# KiCad board schematic_MD.kicad_pcb (continued)
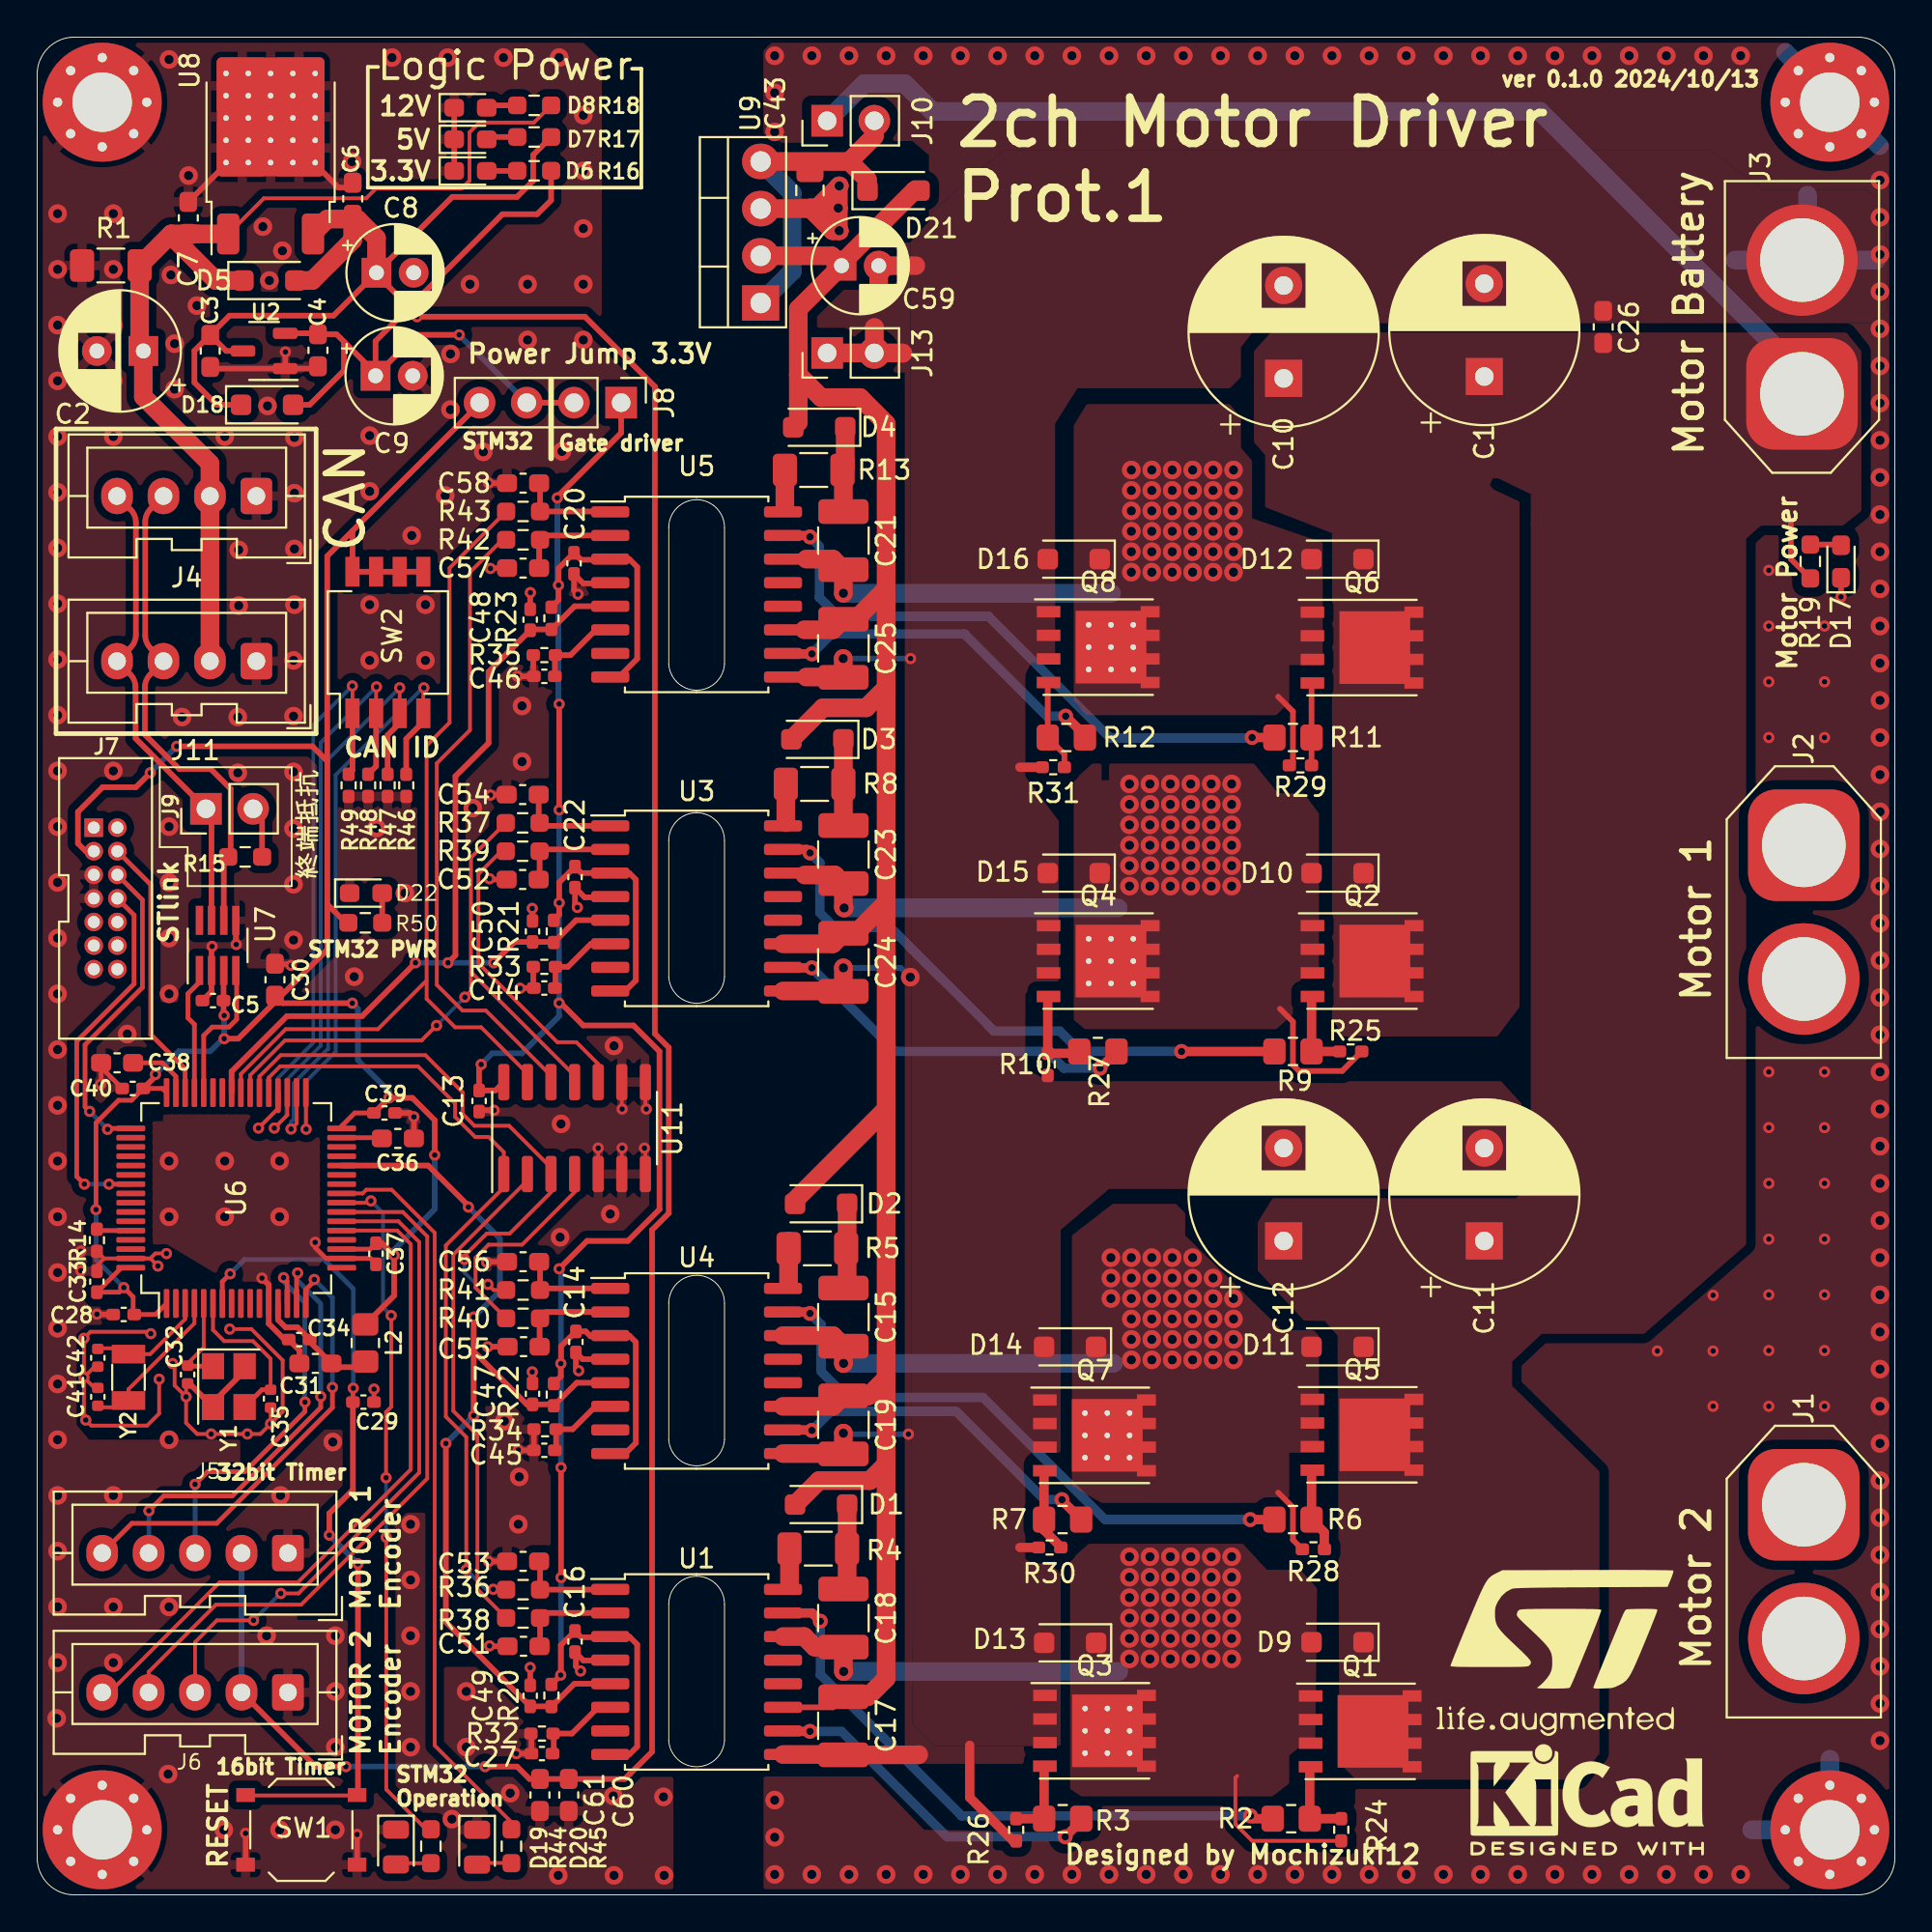
[diagram p0: board, top side]
## Footprints (pads in the part's own frame, mm; a bottom-side part is the same pattern mirrored in y, then rotated) (continued)
  rect 1.7x1.7 hole 1: 1(0,0)
  oval 1.7x1.7 hole 1: 2(0,-2.54) 3(0,-5.08) 4(0,-7.62)
PowerPAK_SO-8_Single
  rect 1.27x0.61 smd: 1(-2.67,1.905) 2(-2.67,0.635) 3(-2.67,-0.635) 4(-2.67,-1.905)
  rect 3.81x3.91 smd: 5(0.69,0)
  rect 1.02x0.61 smd: 5(2.795,1.905) 5(2.795,0.635) 5(2.795,-0.635) 5(2.795,-1.905)
PowerPAK_SO-8_Single_ThermalVias
  rect 1.27x0.61 smd: 1(-2.67,1.905) 2(-2.67,0.635) 3(-2.67,-0.635) 4(-2.67,-1.905)
  round 0.6 hole 0.3: 5(-0.51,1.2) 5(-0.51,0) 5(-0.51,-1.2) 5(0.69,1.2) 5(0.69,0) 5(0.69,-1.2) 5(1.89,1.2) 5(1.89,0) 5(1.89,-1.2)
  rect 3.81x3.91 smd: 5(0.69,0)
  rect 1.02x0.61 smd: 5(2.795,1.905) 5(2.795,0.635) 5(2.795,-0.635) 5(2.795,-1.905)
R_0402_1005Metric_Pad0.72x0.64mm_HandSolder
  rrect 0.715x0.64 smd: 1(-0.598,0) 2(0.598,0)
R_0603_1608Metric_Pad0.98x0.95mm_HandSolder
  rrect 0.975x0.95 smd: 1(-0.912,0) 2(0.912,0)
R_0805_2012Metric_Pad1.20x1.40mm_HandSolder
  rrect 1.2x1.4 smd: 1(-1,0) 2(1,0)
R_1206_3216Metric_Pad1.30x1.75mm_HandSolder
  rrect 1.3x1.75 smd: 1(-1.55,0) 2(1.55,0)
SOIC-14_3.9x8.7mm_P1.27mm
  rrect 1.95x0.6 smd: 1(-2.475,3.81) 2(-2.475,2.54) 3(-2.475,1.27) 4(-2.475,0) 5(-2.475,-1.27) 6(-2.475,-2.54) 7(-2.475,-3.81) 8(2.475,-3.81) 9(2.475,-2.54) 10(2.475,-1.27) 11(2.475,0) 12(2.475,1.27) 13(2.475,2.54) 14(2.475,3.81)
SOIC-16W_7.5x10.3mm_P1.27mm
  rrect 2.05x0.6 smd: 1(-4.65,4.445) 2(-4.65,3.175) 3(-4.65,1.905) 4(-4.65,0.635) 5(-4.65,-0.635) 6(-4.65,-1.905) 7(-4.65,-3.175) 8(-4.65,-4.445) 9(4.65,-4.445) 10(4.65,-3.175) 11(4.65,-1.905) 12(4.65,-0.635) 13(4.65,0.635) 14(4.65,1.905) 15(4.65,3.175) 16(4.65,4.445)
SOT-23-3
  rrect 1.325x0.6 smd: 1(-1.137,0.95) 2(-1.137,-0.95) 3(1.137,0)
SOT-23-8_Handsoldering
  rect 1.56x0.4 smd: 1(-1.35,0.98) 2(-1.35,0.33) 3(-1.35,-0.33) 4(-1.35,-0.98) 5(1.35,-0.98) 6(1.35,-0.33) 7(1.35,0.33) 8(1.35,0.98)
SW_DIP_SPSTx04_Slide_Copal_CHS-04B_W7.62mm_P1.27mm
  rect 1.6x0.76 smd: 1(-3.81,1.905) 2(-3.81,0.635) 3(-3.81,-0.635) 4(-3.81,-1.905) 5(3.81,-1.905) 6(3.81,-0.635) 7(3.81,0.635) 8(3.81,1.905)
SW_Push_1P1T_XKB_TS-1187A
  rect 1x0.75 smd: 1(-3,1.875) 1(3,1.875) 2(-3,-1.875) 2(3,-1.875)
TO-220-4_Vertical
  rect 1.905x2 hole 1.1: 1(0,0)
  oval 1.905x2 hole 1.1: 2(2.54,0) 3(5.08,0) 4(7.62,0)
TO-252-2
  rrect 2.2x1.2 smd: 1(-5.04,2.28) 3(-5.04,-2.28)
  round 0.6 hole 0.3: 2(-1.2,2.4) 2(-1.2,1.2) 2(-1.2,0) 2(-1.2,-1.2) 2(-1.2,-2.4) 2(0,2.4) 2(0,1.2) 2(0,0) 2(0,-1.2) 2(0,-2.4) 2(1.2,2.4) 2(1.2,1.2) 2(1.2,0) 2(1.2,-1.2) 2(1.2,-2.4) 2(2.4,2.4) 2(2.4,1.2) 2(2.4,0) 2(2.4,-1.2) 2(2.4,-2.4) 2(3.6,2.4) 2(3.6,1.2) 2(3.6,0) 2(3.6,-1.2) 2(3.6,-2.4)
  rrect 3.05x2.75 smd: 2(-0.415,1.525) 2(-0.415,-1.525) 2(2.935,1.525) 2(2.935,-1.525)
  rrect 6.4x5.8 smd: 2(1.26,0)

## Nets
+3.3V: C4.1 C9.1 D18.2 J8.2 J8.3 R16.1 U2.2
+5V: C3.1 C6.1 C8.1 C60.2 C61.2 D5.2 D18.1 J5.2 J6.2 R17.1 U2.3 U8.3
+12V: C2.1 C7.1 D5.1 J4.2 J11.2 R1.1 R18.1 U8.1
GND1: C2.2 C3.2 C4.2 C5.2 C6.2 C7.2 C8.2 C9.2 C13.2 C14.2 C16.2 C20.2 C22.2 C27.2 C28.2 C29.2 C30.2 C31.2 C32.2 C33.2 C34.2 C35.2 C36.2 C37.2 C38.2 C39.2 C40.2 C41.2 C42.2 C44.2 C45.2 C46.2 C47.2 C48.2 C49.2 C50.2 C51.2 C52.2 C53.2 C54.2 C55.2 C56.2 C57.2 C58.2 C60.1 C61.1 D6.1 D7.1 D8.1 D19.1 D20.1 D22.1 H1.1 H2.1 J4.1 J5.1 J6.1 J7.5 J7.7 J11.1 R1.2 R14.2 R32.2 R33.2 R34.2 R35.2 R46.2 R47.2 R48.2 R49.2 SW1.1 U1.4 U2.1 U3.4 U4.4 U5.4 U6.12 U6.18 U6.63 U7.2 U7.5 U8.2 U11.5 U11.6 U11.7 U11.8 U11.9 Y1.2 Y1.4
GND2: C1.2 C10.2 C11.2 C12.2 C17.2 C19.2 C24.2 C25.2 C26.2 C43.2 C59.2 D13.2 D14.2 D15.2 D16.2 D17.1 H3.1 H4.1 J3.2 J13.1 J13.2 Q3.1 Q3.2 Q3.3 Q4.1 Q4.2 Q4.3 Q7.1 Q7.2 Q7.3 Q8.1 Q8.2 Q8.3 R26.2 R27.2 R30.2 R31.2 U1.9 U3.9 U4.9 U5.9 U9.3
VDDA: C31.1 C34.1 L2.2 U6.13
/Driver1/EN_left: C48.1 C50.1 R21.2 R23.2 U3.5 U5.5 U6.41
/Driver1/H-bridge_left: C23.2 D10.2 D15.1 J2.2 Q2.1 Q2.2 Q2.3 Q4.5 R25.2 U3.14
/Driver1/H-bridge_right: C21.2 D12.2 D16.1 J2.1 Q6.1 Q6.2 Q6.3 Q8.5 R29.2 U5.14
/Driver1/Left_Highside_PWM_IN: R37.1 U6.39 U11.11
/Driver1/Left_Lowside_PWM_IN: R39.1 U11.10
/Driver1/Right_Highside_PWM_IN: R43.1 U6.40 U11.13
/Driver1/Right_Lowside_PWM_IN: R42.1 U11.12
/Driver/EN_left: C47.1 C49.1 R20.2 R22.2 U1.5 U4.5 U6.28
/Driver/H-bridge_left: C18.2 D9.2 D13.1 J1.2 Q1.1 Q1.2 Q1.3 Q3.5 R24.2 U1.14
/Driver/H-bridge_right: C15.2 D11.2 D14.1 J1.1 Q5.1 Q5.2 Q5.3 Q7.5 R28.2 U4.14
/Driver/Left_Highside_PWM_IN: R36.1 U6.37 U11.1
/Driver/Left_Lowside_PWM_IN: R38.1 U11.2
/Driver/Right_Highside_PWM_IN: R41.1 U6.38 U11.3
/Driver/Right_Lowside_PWM_IN: R40.1 U11.4
/STM32F405/CAN_RX: U6.44 U7.4
/STM32F405/CAN_TX: U6.45 U7.1
/STM32F405/Motor1_A: J5.3 U6.14
/STM32F405/Motor1_B: J5.4 U6.15
/STM32F405/Motor1_Z: J5.5 U6.16
/STM32F405/Motor2_A: J6.3 U6.22
/STM32F405/Motor2_B: J6.4 U6.23
/STM32F405/Motor2_Z: J6.5 U6.21
/STM32F405/NRST: C29.1 SW1.2 U6.7
/STM32F405/SWCLK: J7.6 U6.49
/STM32F405/SWDIO: J7.4 U6.46
/STM32F405/SWO: J7.8 U6.55
gate_logic_PWR: C13.1 C14.1 C16.1 C20.1 C22.1 J8.1 R20.1 R21.1 R22.1 R23.1 U1.3 U1.8 U3.3 U3.8 U4.3 U4.8 U5.3 U5.8 U11.14
Gate_power: C17.1 C19.1 C24.1 C25.1 C59.1 D1.2 D2.2 D3.2 D4.2 D21.2 U1.11 U3.11 U4.11 U5.11 U9.2
STM_power: C5.1 C28.1 C30.1 C33.1 C37.1 C39.1 C40.1 J7.3 J8.4 L2.1 R50.1 SW2.5 SW2.6 SW2.7 SW2.8 U6.1 U6.19 U6.32 U6.48 U6.64 U7.3
Vdrive: C1.1 C10.1 C11.1 C12.1 C26.1 D9.1 D10.1 D11.1 D12.1 J3.1 J10.1 Q1.5 Q2.5 Q5.5 Q6.5 R19.1
Net-(D1-K): C18.1 D1.1 R4.2
Net-(D2-K): C15.1 D2.1 R5.2
Net-(D3-K): C23.1 D3.1 R8.2
Net-(D4-K): C21.1 D4.1 R13.2
Net-(D6-A): D6.2 R16.2
Net-(D7-A): D7.2 R17.2
Net-(D8-A): D8.2 R18.2
Net-(D17-A): D17.2 R19.2
Net-(D19-A): D19.2 R44.2
Net-(D20-A): D20.2 R45.2
Net-(D21-K): C43.1 D21.1 J10.2 U9.1 U9.4
Net-(D22-A): D22.2 R50.2
Net-(J9-Pin_2): J9.2 R15.1
Net-(J11-Pin_3): J4.3 J11.3 R15.2 U7.6
Net-(J11-Pin_4): J4.4 J9.1 J11.4 U7.7
Net-(Q1-G): Q1.4 R2.2 R24.1
Net-(Q2-G): Q2.4 R9.2 R25.1
Net-(Q3-G): Q3.4 R3.2 R26.1
Net-(Q4-G): Q4.4 R10.2 R27.1
Net-(Q5-G): Q5.4 R6.2 R28.1
Net-(Q6-G): Q6.4 R11.2 R29.1
Net-(Q7-G): Q7.4 R7.2 R30.1
Net-(Q8-G): Q8.4 R12.2 R31.1
Net-(U1-DT): C27.1 R32.1 U1.6
Net-(U1-INA): C53.1 R36.2 U1.1
Net-(U1-INB): C51.1 R38.2 U1.2
Net-(U1-OUTA): R2.1 U1.15
Net-(U1-OUTB): R3.1 U1.10
Net-(U1-VDDA): R4.1 U1.16
Net-(U3-DT): C44.1 R33.1 U3.6
Net-(U3-INA): C54.1 R37.2 U3.1
Net-(U3-INB): C52.1 R39.2 U3.2
Net-(U3-OUTA): R9.1 U3.15
Net-(U3-OUTB): R10.1 U3.10
Net-(U3-VDDA): R8.1 U3.16
Net-(U4-DT): C45.1 R34.1 U4.6
Net-(U4-INA): C56.1 R41.2 U4.1
Net-(U4-INB): C55.1 R40.2 U4.2
Net-(U4-OUTA): R6.1 U4.15
Net-(U4-OUTB): R7.1 U4.10
Net-(U4-VDDA): R5.1 U4.16
Net-(U5-DT): C46.1 R35.1 U5.6
Net-(U5-INA): C58.1 R43.2 U5.1
Net-(U5-INB): C57.1 R42.2 U5.2
Net-(U5-OUTA): R11.1 U5.15
Net-(U5-OUTB): R12.1 U5.10
Net-(U5-VDDA): R13.1 U5.16
Net-(U6-BOOT0): R14.1 U6.60
Net-(U6-PB12): R46.1 SW2.4 U6.33
Net-(U6-PB13): R47.1 SW2.3 U6.34
Net-(U6-PB14): R48.1 SW2.2 U6.35
Net-(U6-PB15): R49.1 SW2.1 U6.36
Net-(U6-PC4): R44.1 U6.24
Net-(U6-PC5): R45.1 U6.25
Net-(U6-PC14): C42.1 U6.3 Y2.1
Net-(U6-PC15): C41.1 U6.4 Y2.2
Net-(U6-PH0): C32.1 U6.5 Y1.1
Net-(U6-PH1): C35.1 U6.6 Y1.3
Net-(U6-VCAP_1): C36.1 U6.31
Net-(U6-VCAP_2): C38.1 U6.47

Pads without a net: J7 1 2 9 10 11 12 13 14; U1 7 12 13; U3 7 12 13; U4 7 12 13; U5 7 12 13; U6 2 8 9 10 11 17 20 26 27 29 30 42 43 50 51 52 53 54 56 57 58 59 61 62; U7 8

## Via types
v1: diameter 1, hole 0.5, Top to Bottom, 394 vias
v2: diameter 0.6, hole 0.3, Top to Bottom, 152 vias
v3: diameter 0.8, hole 0.4, Top to Bottom, 16 vias

## Routing (per net, layer and track width the routed paths; a pad name or vN(x,y) marks a point on that pad's centre or on a via; arc(x,y) is an arc through that point)
+3.3V: length 40.1
  Top w0.3: 16.52,83.61 16.52,82.06 14.67,80.21 D18.2 ; v2(22.72,83.97) 20.42,83.97 C9.1 ; C9.1 18.22,81.91 16.12,84.01 C4.1 15.07,84.06 U2.2 ; C9.1 18.22,83.64 25.05,90.47 26.92,90.47 27.67,91.22 R16.1 ; J8.3 J8.2
  Bottom w0.3: v2(22.72,83.97) 22.72,83.97 J8.3
+5V: length 167
  Top w0.3: C3.1 8.47,83.12 8.47,81.41 9.67,80.21 D18.1 ; C3.1 10.18,83.11 U2.3 ; C3.1 10.35,85.01 15.95,85.01 C8.1 ; v2(19.58,85.92) 18.27,87.23 C8.1 ; v2(24.11,6.9) 25.84,6.9 26.5,6.24 31.63,6.24 31.91,6.53 31.92,6.53 33.1,7.7 33.1,35.79 34,36.69 34,45.61 33.25,46.36 33.25,81.19 29.49,84.95 v2(20.45,84.95) ; v2(16.62,6.9) 15,6.9 J6.2 10.9,11 ; C8.1 22.35,91.4 25.83,91.4 26.7,92.27 26.7,93.66 R17.1
  Top w1: U8.3 14.85,89.44 15.62,90.21 16.96,90.21 16.99,90.18 ; 16.99,90.18 16.99,89.08 14.81,86.9 D5.2 ; 16.99,90.18 17.26,90.18 18.27,89.18 C8.1 18.17,87.32
  Bottom w0.3: J5.2 J6.2 ; v2(24.11,6.9) v2(16.62,6.9) ; v2(19.58,85.92) 19.58,85.82 v2(20.45,84.95)
+12V: length 55.6
  Top w0.2: U8.1 12.2,91.33 17.71,91.33 18.23,91.85 22.85,91.85 23.27,92.28 23.27,94.88 23.8,95.4 26.74,95.4 R18.1
  Top w1: R1.1 5.52,83.31 C2.1 5.72,80.64 9.3,77.06 J4.2 J11.2 ; 7.22,89.41 5.58,87.77 5.58,87.65 ; 7.22,89.41 7.22,89.31 9.62,86.9 D5.1 ; 7.22,89.41 C7.1 ; C7.1 U8.1 ; C7.1 8.62,89.41
GND1: length 127.5
  Top w0.2: 10.32,30.41 v2(10.36,30.46) 11.53,30.46 13.22,28.77 13.22,26.01 v2(12.57,25.36) ; 6.09,34.26 U6.63 ; 6.09,34.26 v2(6.5,33.85) ; 6.09,34.26 6.36,34.53 6.95,34.53 v2(6.96,34.52) ; U6.63 5.86,34.26 ; U6.63 3.6,34.26 ; v2(2.52,27.86) 2.52,25.66 v2(2.62,25.56) 2.92,25.26 5.92,25.26 6.57,25.91 v2(6.57,27.76) 6.57,27.96 ; v2(2.52,27.86) 3.09,28.43 ; v2(2.52,27.86) v2(2.52,29.96) 2.87,30.31 6.02,30.31 v2(6.12,30.21) 6.17,30.16 ; v2(2.52,27.86) 3.14,27.24 ; v2(8.02,26.81) 7.4,27.42 7.4,28.49 v2(7.29,28.6) ; v2(8.02,26.81) 8.02,25.41 8.62,24.81 v2(9.37,24.81) v2(11.32,24.81) 12.02,24.81 v2(12.57,25.36) ; v2(8.02,26.81) 8.02,27.52 ; v2(31.49,42.3) 31.47,42.32 U11.9 ; C33.2 3.22,33.88 3.6,34.26 ; U11.7 32.74,40.15 v2(32.69,40.2) ; v2(32.79,42.3) 32.74,42.35 U11.8 ; v2(31.49,40.2) 31.47,40.18 U11.6 ; 3.6,34.26 R14.2 ; v2(12.57,25.36) 12.57,26.18 ; v2(30.2,40.2) 30.2,38.8
  Top w0.25: v2(14.97,35.12) 14.97,34.84 15.55,34.26 U6.18 17.94,34.26 18.24,33.96 C37.2 ; 13.53,29.88 C34.2 ; 3.09,28.43 3.22,28.43 ; v2(3.42,43.64) 3.44,43.66 C38.2 3.44,44.55 C40.2 ; v2(18.13,27.22) C29.2
  Top w0.3: 29,29.16 29,28.36 v2(29.15,28.21) ; 29,12.96 29,12.3 v2(29.25,12.05) ; C20.2 28.9,71.09 29.39,70.6 30.85,70.6 ; C53.2 24.3,17.95 v2(24.3,17.95) ; 30.85,53.7 29.47,53.7 C22.2 28.95,53.28 v2(29.08,53.16) ; v2(24.3,76) 24.31,75.99 C58.2 ; C14.2 29.36,28.83 U4.4 30.85,28.8 ; C4.2 14.99,82.16 U2.1 ; U2.1 13.35,83.05 v2(13.37,83.06) ; U2.1 9.4,82.16 C3.2 ; C52.2 24.39,54.66 v2(24.35,54.7) ; v2(24.35,13.4) 24.37,13.38 C51.2 ; C56.2 24.23,34.08 v2(24.2,34.05) ; C16.2 29.4,12.62 30.83,12.62 30.85,12.6 ; v2(26.65,28.15) 26.67,28.13 C47.2 ; C48.2 26.54,70.09 v2(26.55,70.1) ; v2(9.42,51.06) 9.39,51.03 U7.2 9.39,48.63 C5.2 8.87,48.11 ; v2(24.25,29.5) 24.26,29.51 C55.2 ; v2(25.8,7.6) 25.8,7.6 C27.2 26.61,8.65 R32.2 ; v2(25.9,23.95) 25.92,23.93 C45.2 26.74,23.94 R34.2 ; 3.14,27.24 3.22,27.24 ; R35.2 26.7,65.62 C46.2 25.86,65.59 v2(25.85,65.6) ; Y1.4 11.17,28.21 9.47,26.51 9.47,26.26 8.2,27.53 8.02,27.53 ; 16.99,91.91 16.22,91.91 U8.2 ; v2(24.4,71.4) 24.42,71.42 C57.2 ; U8.2 8.14,91.13 C7.2 ; v2(24.4,59.2) 24.43,59.23 C54.2 ; v2(13.67,50.03) 13.6,50.1 12.8,50.1 ; R33.2 26.7,48.84 C44.2 26.01,48.81 v2(26,48.8) ; C31.2 14.12,29.31 C34.2 13.32,29.89 12.47,30.75 U6.12 12.47,32.83 v2(12.1,33.2) ; D8.1 D6.1 ; 11.22,1.69 v2(11.22,3.31) ; v2(10.72,51.16) 10.7,51.18 U7.5 ; C39.2 20.07,42.09 v2(20.28,41.88) 20.28,41.88 20.28,40.72 ; v2(29.11,70.01) 28.9,70.23 28.9,70.96 ; v2(24.6,42.23) 23.86,42.23 ; v2(26.65,53.1) 26.67,53.08 C50.2 ; C49.2 v2(26.54,12.24) ; v2(3.22,31.26) 3.23,31.24 C28.2 ; SW1.1 v2(17.22,3.25)
  vias: v1(1.1,90.5) v1(1.1,87.5) v1(1.1,84.5) v1(1.1,81.5) v1(1.1,78.5) v1(1.1,75.5) v1(1.1,72.5) v1(1.1,69.5) v1(1.1,66.5) v1(1.1,63.5) v1(1.1,60.5) v1(1.1,57.5) v1(1.1,54.5) v1(1.1,51.5) v1(1.1,48.5) v1(1.1,45.5) v1(1.1,42.5) v1(1.1,39.5) v1(1.1,36.5) v1(1.1,33.5) v1(1.1,30.5) v1(1.1,27.5) v1(1.1,24.5) v1(1.1,21.5) v1(1.1,18.5) v1(1.1,15.5) v1(1.1,12.5) v1(1.05,9.5) v1(4.1,90.5) v1(4.1,87.5) v1(4.1,84.5) v1(4.1,81.5) v1(4.1,78.5) v1(4.1,60.5) v1(4.1,21.5) v1(4.1,15.5) v1(4.1,12.5) v1(4.85,46.34) v1(7.1,98.8) v1(7.1,57.5) v1(7.1,54.5) v1(7.1,51.5) v1(7.1,48.5) v1(7.1,39.5) v1(7.1,36.5) v1(7.1,24.5) v1(7.1,15.5) v1(7.05,6.5) v1(7.2,87.2) v1(7.4,83.5) v1(7.4,81.05) v1(7.8,63.4) v1(8.15,92.55) v1(8.6,85.55) v1(10.1,78.5) v1(10.1,39.5) v1(10.1,36.5) v1(10.05,3.5) v1(10.8,63.4) v1(10.8,60.4) v1(10.85,72.4) v1(10.85,69.4) v1(12.15,89.8) v1(12.4,80.15) v1(12.35,13.95) v1(12.5,86.9) v1(13.05,39.5) v1(13.05,36.5) v1(13.1,21.5) v1(13.05,3.5) v1(13.2,88.5) v1(13.8,66.45) v1(13.8,63.45) v1(13.8,60.45) v1(13.8,57.4) v1(13.8,54.4) v1(13.8,51.4) v1(13.85,78.45) v1(13.85,75.45) v1(13.85,72.45) v1(13.85,69.45) v1(15.91,24.38) v1(16.05,13.95) v1(16.05,10.95) v1(16.05,7.95) v1(16.05,3.5) v1(16.95,93.3) v1(17.06,49.42) v1(17.9,78.55) v1(17.9,75.55) v1(17.9,69.45) v1(17.9,66.45) v1(18.27,57.42) v1(19.1,98.9) v1(19.8,53.92) v1(20.1,19.95) v1(20.1,16.95) v1(20.1,13.95) v1(20.1,10.95) v1(20.1,7.95) v1(20.16,73.17) v1(20.9,69.45) v1(20.9,66.45) v1(21.97,75.33) v1(22.1,98.9) v1(22.25,82.95) v1(22.25,79.95) v1(22.32,4.08) v1(23.1,10.95) v1(23.1,7.95) v1(23.3,86.7) v1(23.45,58.5) v1(24.02,77.67) v1(25.1,98.9) v1(25.15,25.5) v1(25.47,5.47) v1(25.9,19.95) v1(25.95,22.5) v1(26.1,64) v1(26.1,61) v1(26.4,86.7) v1(26.4,83.7) v1(28.1,98.9) v1(28.05,1.05) v1(28.2,41.5) v1(28.15,35.4) v1(28.25,77.7) v1(29.4,95.8) v1(29.4,92.8) v1(29.4,89.7) v1(29.4,86.7) v1(29.4,83.7) v1(30.85,36.65) v1(31.02,5.32) v1(31.05,45.7) v1(31.05,1.05) v1(33.72,5.28) v1(33.75,1.05) v2(2.35,34.65) v2(2.35,33.6)
GND2: length 85.5
  Top w0.2: 43.38,65.56 C25.2 ; 43.38,23.75 C19.2 ; 43.38,48.66 C24.2 ; 43.38,7.56 C17.2
  Top w0.3: D17.1 v2(97.1,69.87)
  Top w0.5: R26.2 52.54,2.9 50.2,5.24 50.2,8.05 ; 53.81,18.7 52.9,18.7 ; 54,60.7 52.9,60.7
  Top w1: v1(43.39,66.55) 43.39,65.55 C25.2 ; 45.34,86.41 45.3,86.44 C59.2 47.3,87.7 ; C43.2 41.98,90.8 v1(43.18,91.99) 43.12,91.94 v1(43.12,90.8) ; C43.2 42.82,89.58 v1(43.18,89.58) 43.12,89.63 v1(43.12,90.8) ; C43.2 41.57,90.77 U9.3 ; C43.2 v1(43.12,90.8) ; 46.6,82.98 46.58,83 J13.2 ; U1.9 43.38,7.56 ; 47.45,7.55 47.44,7.54 C17.2 ; v1(43.4,49.9) C24.2 ; U3.9 43.38,48.66 ; v1(43.4,24.85) C19.2 ; J13.1 J13.2 ; J13.2 45.06,84.36 45.08,84.37 ; U4.9 43.38,23.75 ; 41.4,65.56 43.38,65.56
  Bottom w0.3: v2(46.9,24.8) 43.45,24.8 v1(43.4,24.85) ; v2(47.01,66.55) v1(43.39,66.55) ; 47.01,49.38 46.49,49.9 v1(43.4,49.9)
  Bottom w1: 92.3,3.5 H4.1 96.5,7.3 ; 95.3,88 95.3,91.5 ; 95.3,88 99,88 ; 95.3,88 91.4,88 ; 94.12,99.17 96.5,96.79 H3.1 96.81,96.5 99.16,94.15
  vias: v1(39.7,99) v1(39.7,97) v1(39.7,94.9) v1(39.7,5.1) v1(39.7,3.1) v1(39.7,1.1) v1(41.7,99) v1(41.7,1.1) v1(43.7,99) v1(43.7,1.1) v1(45.7,99) v1(45.7,1.1) v1(47,49.4) v1(47.7,99) v1(47.7,1.1) v1(49.7,99) v1(49.7,1.1) v1(51.7,99) v1(51.7,1.1) v1(53.7,99) v1(53.7,1.1) v1(55.7,99) v1(55.7,1.1) v1(57.7,99) v1(57.7,1.1) v1(59.7,99) v1(59.7,1.1) v1(61.7,99) v1(61.7,1.1) v1(63.7,99) v1(63.7,1.1) v1(65.7,99) v1(65.7,1.1) v1(67.7,99) v1(67.7,1.1) v1(69.7,99) v1(69.7,1.1) v1(71.7,99) v1(71.7,1.1) v1(73.7,99) v1(73.7,1.1) v1(75.7,99) v1(75.7,1.1) v1(77.7,99) v1(77.7,1.1) v1(79.7,99) v1(79.7,1.1) v1(81.7,99) v1(81.7,1.1) v1(83.7,99) v1(83.7,1.1) v1(85.7,99) v1(85.7,1.1) v1(87.7,99) v1(87.7,1.1) v1(89.7,99) v1(89.7,1.1) v1(91.7,99) v1(91.7,1.1) v1(99.2,92.3) v1(99.2,90.3) v1(99.2,88.3) v1(99.2,86.3) v1(99.2,84.3) v1(99.2,82.3) v1(99.2,80.3) v1(99.2,78.3) v1(99.2,76.3) v1(99.2,74.3) v1(99.2,72.3) v1(99.2,70.3) v1(99.2,68.3) v1(99.2,66.3) v1(99.2,64.3) v1(99.2,62.3) v1(99.2,60.3) v1(99.2,58.3) v1(99.2,56.3) v1(99.2,54.3) v1(99.2,52.3) v1(99.2,50.3) v1(99.2,48.3) v1(99.2,46.3) v1(99.2,44.3) v1(99.2,42.3) v1(99.2,40.3) v1(99.2,38.3) v1(99.2,36.3) v1(99.2,34.3) v1(99.2,32.3) v1(99.2,30.3) v1(99.2,28.3) v1(99.2,26.3) v1(99.2,24.3) v1(99.2,22.3) v1(99.2,20.3) v1(99.2,18.3) v1(99.2,16.3) v1(99.2,14.3) v1(99.2,12.3) v1(99.2,10.3) v1(99.2,8.3) v2(87.22,29.28) v2(90.22,32.28) v2(90.22,29.28) v2(90.22,26.3) v2(93.22,71.3) v2(93.22,68.3) v2(93.22,65.3) v2(93.22,62.3) v2(93.22,44.3) v2(93.22,41.3) v2(93.22,38.3) v2(93.22,35.3) v2(93.22,32.3) v2(93.22,29.3) v2(93.22,26.3) v2(96.22,68.3) v2(96.22,65.3) v2(96.22,62.3) v2(96.22,44.3) v2(96.22,41.3) v2(96.22,38.3) v2(96.22,35.3) v2(96.22,32.3) v2(96.22,29.3) v2(96.22,26.3)
VDDA: length 6.7
  Top w0.3: 17.72,28.41 15.85,28.41 ; U6.13 12.97,30.96 13.37,30.55 14.01,30.55 C34.1 14.67,29.78 C31.1
/Driver1/EN_left: length 49.7
  Top w0.3: v2(24.57,50.17) 25.69,51.29 C50.1 27.78,51.29 R21.2 29.01,52.47 U3.5 30.81,52.5 ; U6.41 10.47,44.32 13.44,47.3 17.49,47.3 v2(20.37,50.17) ; 30.72,69.5 U5.5 28.93,69.36 27.68,68.12 26.58,68.12 C48.1 24.3,65.83 24.3,62 22.52,60.22 22.52,50.57 v2(22.11,50.17)
  Bottom w0.3: v2(24.57,50.17) v2(22.11,50.17) v2(20.37,50.17)
/Driver1/H-bridge_left: length 25.9
  Top w0.3: 66.9,47.7 67.6,47 67.6,44.67 67.92,44.35 70.25,44.35 R25.2
  Top w1: v1(43.44,53.12) 43.4,53.16 C23.2 42.94,54.9 41.32,54.9
  Bottom w1: v1(43.44,53.12) 58.19,53.12
  vias: v1(58.8,59.8) v1(58.8,58.7) v1(58.8,57.6) v1(58.8,56.5) v1(58.8,55.4) v1(58.8,54.3) v1(59.9,59.8) v1(59.9,58.7) v1(59.9,57.6) v1(59.9,56.5) v1(59.9,55.4) v1(59.9,54.3) v1(61,59.8) v1(61,58.7) v1(61,57.6) v1(61,56.5) v1(61,55.4) v1(61,54.3) v1(62.1,59.8) v1(62.1,58.7) v1(62.1,57.6) v1(62.1,56.5) v1(62.1,55.4) v1(62.1,54.3) v1(63.2,59.8) v1(63.2,58.7) v1(63.2,57.6) v1(63.2,56.5) v1(63.2,55.4) v1(63.2,54.3) v1(64.3,59.8) v1(64.3,58.7) v1(64.3,57.6) v1(64.3,56.5) v1(64.3,55.4) v1(64.3,54.3)
/Driver1/H-bridge_right: length 22.1
  Top w0.2: 68.59,69.05 68.6,69.05
  Top w0.3: 66.8,64.5 67.6,63.7 67.6,61 R29.2
  Top w1: v1(43.4,70.06) C21.2 42.83,71.91 41.4,71.91
  Bottom w1: v1(43.4,70.06) 57.83,70.06
  vias: v1(58.9,76.7) v1(58.9,75.6) v1(58.9,74.5) v1(58.9,73.4) v1(58.9,72.3) v1(58.9,71.2) v1(60,76.7) v1(60,75.6) v1(60,74.5) v1(60,73.4) v1(60,72.3) v1(60,71.2) v1(61.1,76.7) v1(61.1,75.6) v1(61.1,74.5) v1(61.1,73.4) v1(61.1,72.3) v1(61.1,71.2) v1(62.2,76.7) v1(62.2,75.6) v1(62.2,74.5) v1(62.2,73.4) v1(62.2,72.3) v1(62.2,71.2) v1(63.3,76.7) v1(63.3,75.6) v1(63.3,74.5) v1(63.3,73.4) v1(63.3,72.3) v1(63.3,71.2) v1(64.4,76.7) v1(64.4,75.6) v1(64.4,74.5) v1(64.4,73.4) v1(64.4,72.3) v1(64.4,71.2)
/Driver1/Left_Highside_PWM_IN: length 33.1
  Top w0.2: v2(23.02,48.32) 23.35,48.65 23.35,49.68 ; 23.35,49.68 23.35,55.83 25.22,57.7 ; 23.35,49.68 28.93,44.1 U11.11 28.93,43.4 ; v2(21.5,46.8) 20.7,46 13.34,46 11.47,44.12 U6.39
  Bottom w0.2: v2(23.02,48.32) v2(21.5,46.8)
/Driver1/Left_Lowside_PWM_IN: length 16.5
  Top w0.2: 30.2,43.75 30.2,44.72 29.02,45.9 28,45.9 23.75,50.15 23.75,54.95 24.98,56.18 25.22,56.18
/Driver1/Right_Highside_PWM_IN: length 48.6
  Top w0.2: 20.97,49.22 18.34,46.6 13.38,46.6 10.97,44.19 U6.40 ; U11.13 26.39,44.21 23.9,46.7 22.5,46.7 20.97,48.23 20.97,61.86 22.2,63.1 22.2,71.42 R43.1
/Driver1/Right_Lowside_PWM_IN: length 34.1
  Top w0.2: U11.12 27.66,44.1 24.16,47.6 22.9,47.6 21.52,48.98 21.52,60.92 23.3,62.7 23.3,71.2 25.04,72.94 R42.1
/Driver/EN_left: length 52.6
  Top w0.2: U6.28 16.41,39.28
  Top w0.3: v2(23.5,25.8) 23.5,29.26 ; 23.5,29.26 26.36,26.4 C47.1 ; 23.5,29.26 v2(23.5,31.1) ; 26.54,26.4 27.74,26.4 R22.2 29.04,27.56 U4.5 30.81,27.6 ; v2(23.22,37.03) 23.22,37.09 21.05,39.26 U6.28 ; U1.5 28.92,11.37 R20.2 27.67,10.15 C49.1 22,14.69 v2(22,24.3)
  Bottom w0.3: v2(23.5,31.1) 24.91,32.51 24.91,35.33 v2(23.22,37.03) ; v2(22,24.3) v2(23.5,25.8)
/Driver/H-bridge_left: length 30
  Top w0.2: 64.6,6.4 64.5,6.3 64.5,3.81 65.41,2.91 R24.2 ; 57.1,9.69 58.3,8.5
  Top w1: U1.14 41.28,13.91 41.85,13.34 C18.2 43.4,12.04 v1(43.41,12.02)
  Bottom w1: v1(43.41,12.02) 58.23,12.02
  vias: v1(58.8,18.2) v1(58.8,17.1) v1(58.8,16) v1(58.8,14.9) v1(58.8,13.8) v1(58.8,12.7) v1(59.9,18.2) v1(59.9,17.1) v1(59.9,16) v1(59.9,14.9) v1(59.9,13.8) v1(59.9,12.7) v1(61,18.2) v1(61,17.1) v1(61,16) v1(61,14.9) v1(61,13.8) v1(61,12.7) v1(62.1,18.2) v1(62.1,17.1) v1(62.1,16) v1(62.1,14.9) v1(62.1,13.8) v1(62.1,12.7) v1(63.2,18.2) v1(63.2,17.1) v1(63.2,16) v1(63.2,14.9) v1(63.2,13.8) v1(63.2,12.7) v1(64.3,18.2) v1(64.3,17.1) v1(64.3,16) v1(64.3,14.9) v1(64.3,13.8) v1(64.3,12.7)
/Driver/H-bridge_right: length 24.3
  Top w0.2: 58.11,25.96 59.33,24.74
  Top w0.3: R28.2 67.6,19.11 67.6,20.86 66.8,21.66
  Top w1: U4.14 42.83,30.11 C15.2 43.4,28.6
  Bottom w1: v1(43.41,28.61) 57.94,28.61
  vias: v1(57.8,34.3) v1(57.8,33.2) v1(57.8,32.1) v1(58.9,34.3) v1(58.9,33.2) v1(58.9,32.1) v1(58.9,31) v1(58.9,29.9) v1(58.9,28.8) v1(60,34.3) v1(60,33.2) v1(60,32.1) v1(60,31) v1(60,29.9) v1(60,28.8) v1(61.1,34.3) v1(61.1,33.2) v1(61.1,32.1) v1(61.1,31) v1(61.1,29.9) v1(61.1,28.8) v1(62.2,34.3) v1(62.2,33.2) v1(62.2,32.1) v1(62.2,31) v1(62.2,29.9) v1(62.2,28.8) v1(63.3,33.2) v1(63.3,32.1) v1(63.3,31) v1(63.3,29.9) v1(63.3,28.8) v1(64.4,32.1) v1(64.4,31) v1(64.4,29.9) v1(64.4,28.8)
/Driver/Left_Highside_PWM_IN: length 42.9
  Top w0.2: R36.1 25.23,16.45 v2(24.55,16.45) ; v2(23.1,17.5) 23.1,24.64 22,25.74 22,34.96 25.12,38.08 U11.1 25.12,39.98 24.3,40.8 23.57,40.8 22.5,41.87 22.5,42.6 20.5,44.6 13.08,44.6 12.47,43.99 U6.37
  Bottom w0.2: v2(24.55,16.45) 24.15,16.45 v2(23.1,17.5)
/Driver/Left_Lowside_PWM_IN: length 26.7
  Top w0.2: U11.2 26.39,38.45 22.4,34.46 22.4,26.05 23.7,24.75 23.7,16.45 R38.1
/Driver/Right_Highside_PWM_IN: length 31.2
  Top w0.2: U6.38 11.97,44.06 13.11,45.2 20.9,45.2 22.9,43.2 22.9,42.04 23.54,41.4 25.41,41.4 27.66,39.15 U11.3 27.66,37.83 25.43,35.6 24.2,35.6 23,34.4 v2(23,34.21) ; R41.1 24.57,32.56 v2(24.26,32.86)
  Bottom w0.2: v2(24.26,32.86) 23.64,32.86 23,33.5 v2(23,34.21)
/Driver/Right_Lowside_PWM_IN: length 11.7
  Top w0.2: R40.1 23.6,32.68 23.6,34.3 24.3,35 26.1,35 28.93,37.83 U11.4
/STM32F405/CAN_RX: length 7.9
  Top w0.25: 8.94,43.21 U6.44 8.97,46.26 9.42,46.71 10.32,46.71 10.74,47.13 10.74,49.71 U7.4
/STM32F405/CAN_TX: length 6.8
  Top w0.25: 8.73,49.56 8.73,49.12 8.12,48.51 8.12,47.2 8.47,46.85 U6.45
/STM32F405/Motor1_A: length 20.4
  Top w0.25: v2(13.27,33.22) 13.45,33.04 13.45,31.84 U6.14 ; v2(8.5,22.1) 9.18,22.78 11.17,22.78 14.41,26.02 v2(14.41,26.53)
  Bottom w0.25: v2(13.27,33.22) 13.27,33.01 14.4,31.88 14.4,26.54 v2(14.41,26.53) ; v2(8.5,22.1) J5.3
/STM32F405/Motor1_B: length 23.3
  Top w0.25: U6.15 13.97,33.42 v2(14.02,33.48) ; v2(15.27,26.83) 15.27,26.23 10.51,21.47 6.81,21.47 v2(6.02,20.67)
  Bottom w0.2: 6.02,18.42 J5.4
  Bottom w0.25: v2(14.02,33.48) 14.02,33.07 15.27,31.83 v2(15.27,26.83) ; v2(6.02,20.67) 6.02,18.42
/STM32F405/Motor1_Z: length 24.5
  Top w0.25: J5.5 5.1,20 9.67,20 15.9,26.23 v2(15.9,27.32) ; v2(14.91,33.12) 14.91,33.03 14.47,32.58 U6.16
  Bottom w0.2: v2(14.91,33.12) 14.86,33.07
  Bottom w0.25: v2(14.91,33.12) 15.9,32.14 v2(15.9,27.32)
/STM32F405/Motor2_A: length 35.8
  Top w0.2: J6.3 8.5,13.6 9.67,14.78 v2(11.65,14.78) ; U6.22 19.45,36.26 20.56,35.14 20.56,22.72 14.07,16.23 v2(13.11,16.23) 13.37,16.23
  Bottom w0.2: v2(11.65,14.78) 13.1,16.23 v2(13.11,16.23)
/STM32F405/Motor2_B: length 38.6
  Top w0.2: U6.23 19.68,36.76 21,35.44 21,22.41 14.22,15.62 9.62,15.62 6,12 J6.4
/STM32F405/Motor2_Z: length 37.7
  Top w0.2: J6.5 3.9,10.9 9.83,16.83 14.03,16.83 20.11,22.9 20.11,35.03 19.38,35.76 U6.21
/STM32F405/NRST: length 43.8
  Top w0.2: 17.19,5.35 11.17,5.35
  Top w0.25: C29.1 17,27.26 v2(17.02,27.28) ; U6.7 9.97,33.01 v2(10.39,33.43)
  Top w0.3: v2(17.27,17.82) 17.27,5.42 SW1.2 ; C29.1 17,21.81 15.73,20.54 v2(15.73,19.37)
  Bottom w0.25: v2(17.02,27.28) 17.02,32.62 15.44,34.2 11.16,34.2 v2(10.39,33.43)
  Bottom w0.3: v2(15.73,19.37) 17.27,17.83 v2(17.27,17.82)
/STM32F405/SWCLK: length 17.3
  Top w0.25: J7.6 5.67,53.56 5.67,48.85 2.58,45.76 2.58,42.42 v2(2.82,42.17) ; U6.49 3.84,41.26
  Top w0.3: 3.84,41.26 v2(3.79,41.21)
  Bottom w0.25: v2(2.82,42.17) v2(3.79,41.21)
/STM32F405/SWDIO: length 14.5
  Top w0.25: J7.4 6.12,54.38 6.12,46.31 7.97,44.46 U6.46
/STM32F405/SWO: length 19.7
  Top w0.25: J7.8 5.22,52.74 5.22,49.03 2.13,45.95 2.13,38.67 v2(2.54,38.26) ; v2(3.87,38.26) U6.55
  Bottom w0.25: v2(2.54,38.26) v2(3.87,38.26)
gate_logic_PWR: length 142.3
  Top w0.3: U1.8 31.87,7.56 32.3,7.98 32.3,13.48 31.87,13.91 U1.3 ; U11.14 24.67,43.3 C13.1 23.79,44.59 v2(23.9,44.7) ; U3.3 30.85,54.97 ; U3.3 31.87,55 32.22,54.65 32.22,49.22 31.66,48.66 U3.8 ; U3.3 29.3,55 C22.1 28.1,54.5 v2(28.1,53.4) 28.1,52.75 R21.1 ; v2(28,75.2) 28,75.26 31.44,78.69 J8.1 ; U4.3 31.87,30.11 32.22,29.75 32.22,24.33 31.66,23.75 U4.8 ; 30.85,30.07 29.79,30.07 29.53,30.33 C14.1 28.2,29.53 28.2,28.61 v2(28.19,28.6) 28.19,27.91 R22.1 ; 30.85,71.87 29.27,71.87 C20.1 28.06,71.4 v2(28.06,70.5) 28.06,69.69 R23.1 ; U5.8 31.32,65.56 32.3,66.54 32.3,71.48 31.87,71.91 U5.3 ; v2(28.2,23) v2(28.2,17.08) ; R20.1 28.19,11.83 28.19,13.44 C16.1 29.29,13.87 30.85,13.87 ; v2(28.1,64.1) 28.1,58.4 v2(28.1,58.4) ; v2(28.1,48) 28.19,48 29.4,46.8 32.1,46.8 33.5,45.4 33.5,36.9 31.8,35.2 29.6,35.2 v2(28.1,33.7)
  Bottom w0.3: v2(28.18,11.83) 28.2,11.85 v2(28.2,17.08) ; v2(28.1,64.1) 28.06,64.14 28.06,70.5 v2(28.06,70.5) 28,70.56 v2(28,75.2) ; v2(28.2,23) 28.19,23.01 v2(28.19,28.6) 28.2,28.61 28.2,33.6 v2(28.1,33.7) ; v2(23.9,44.7) 24.5,45.3 26.1,45.3 28.1,47.3 v2(28.1,48) 28.1,48.01 v2(28.1,53.4) v2(28.1,58.4)
Gate_power: length 136.6
  Top w0.3: U1.11 42.83,10.09 C17.1
  Top w1: 40.97,81.83 40.97,79.28 D4.2 ; 40.97,81.83 42.2,80.6 44.3,80.6 45.7,79.2 45.7,27.8 ; 40.97,81.83 40.97,85.38 C59.1 ; D3.2 42.3,63.9 44.63,63.9 45.7,64.97 45.7,65 ; D1.2 42.09,22.3 44.83,22.3 45.7,23.17 45.7,23.3 ; 45.5,53.2 44.06,51.76 C24.1 42.83,51.19 U3.11 ; U9.2 42.77,88.23 C59.1 ; C59.1 43.3,87.82 47.22,91.74 D21.2 ; C17.1 44.71,10.66 45.7,11.65 45.7,27.8 ; 40.8,37.4 45.7,42.3 ; 45.7,27.8 44.76,26.86 C19.1 42.83,26.3 U4.11 ; 41.3,68.1 42.84,68.1 C25.1 44.06,68.66 45.7,70.3
STM_power: length 129.9
  Top w0.25: 5.47,43.59 5.94,43.59 ; C37.1 17.92,34.76 U6.19 ; U6.48 6.74,43.41 C40.1 5.08,42.77 4.38,42.77 3.17,41.56 v2(3.17,36.89) ; U6.1 6.37,31.24 C28.1 5.17,31.3 5.17,32.19 v2(4.67,32.69) 4.42,32.44 C33.1 4.53,33.76 U6.64 ; C39.1 17.1,42.09 16.39,41.38 U6.32
  Top w0.3: C40.1 6.37,44.06 v2(6.37,44.16) ; v2(16.97,48) 13.2,48 C30.1 ; SW2.5 SW2.8 16.97,73.42 16.97,73.42 ; C39.1 v2(18.94,42.9) 20.2,42.9 21.4,41.7 v2(21.4,39.83) ; v2(7.52,61.83) 14.82,61.83 15.62,61.03 ; 15.62,61.03 15.62,72.06 23.81,80.26 J8.4 ; 15.62,61.03 15.62,50.88 13.14,48.4 C30.1 ; C30.1 12.8,48.06 10.83,46.09 v2(10.07,46.09) ; R50.1 16.62,52.33 15.62,53.33 ; v2(6.09,60.4) 5.31,59.62 3.52,59.62 2.2,58.3 2.2,56.6 2.62,56.18 J7.3 ; v2(10.07,47.34) 10.03,47.37 C5.1 10.03,49.75 U7.3 ; L2.1 19.22,32.26 v2(19.22,34.42) 18.56,35.08 C37.1 18.28,35.08
  Bottom w0.25: v2(3.17,36.89) 3.17,34.19 v2(4.67,32.69)
  Bottom w0.3: v2(18.94,42.9) 18.94,43.26 17.27,44.94 17.27,47.7 v2(16.97,48) ; 9.97,47.34 v2(10.07,47.34) 10.07,46.16 9.32,45.41 7.61,45.41 v2(6.37,44.16) ; v2(21.4,39.83) 21.4,36.91 19.22,34.72 v2(19.22,34.42) ; v2(6.09,60.4) v2(7.52,61.83)
Vdrive: length 63.8
  Top w0.3: 94.4,73.8 94.4,71.91 R19.1
  Bottom w1: J10.1 44.53,97.5 46.7,97.5 48.2,96 80.9,96 95.5,81.4
Net-(D1-K): length 4.6
  Top w1: 43.6,16.36 R4.2 D1.1
Net-(D2-K): length 4.4
  Top w1: D2.1 43.6,32.76
Net-(D3-K): length 4.7
  Top w1: D3.1 R8.2 43.4,57.46
Net-(D4-K): length 4.6
  Top w1: C21.1 43.4,76.65 R13.2 43.5,76.85 D4.1
Net-(D6-A): length 1.6
  Top w0.3: R16.2 25.83,92.8 D6.2
Net-(D7-A): length 1.7
  Top w0.3: D7.2 24.33,94.63 R17.2
Net-(D8-A): length 1.7
  Top w0.3: D8.2 24.33,96.33 R18.2
Net-(D17-A): length 1.7
  Top w0.3: D17.2 97.06,72.69 R19.2
Net-(D19-A): length 1.9
  Top w0.2: 19.37,1.46 19.3,1.39 ; R44.2 19.38,1.7
Net-(D20-A): length 1.8
  Top w0.2: 25.76,1.72 23.98,1.72
Net-(D21-K): length 18.5
  Top w1: J10.2 45.06,94.66 43.71,93.31 ; 43.71,93.31 44.7,92.32 D21.1 ; 43.71,93.31 U9.4
  Bottom w1: U9.1 40.65,87.39 40.65,91.61 U9.4
Net-(D22-A): length 1.6
  Top w0.3: D22.2 18.57,52.33
Net-(J9-Pin_2): length 2.9
  Top w0.3: R15.1 12.11,58.11 11.64,58.57 ; 11.74,58.23 11.73,58.24
Net-(J11-Pin_3): length 27.2
  Top w0.3: J4.3 6.11,74.61 arc(5.89,74.28) 5.82,73.9 5.82,67.81 arc(5.89,67.43) 6.11,67.1 J11.3 6.09,65.7 arc(5.87,65.37) 5.8,64.99 ; 10.39,55.98 R15.2 ; R15.2 10.42,56.01 10.42,59.53 9.34,60.61 7.65,60.61 5.8,62.46 5.8,65.04 ; R15.2 10.05,55.64 U7.6
Net-(J11-Pin_4): length 26.3
  Top w0.3: J9.1 9.39,58.16 U7.7 ; J9.1 5.3,62.25 5.3,64.78 5.29,64.79 5.29,65.1 ; J9.1 9.09,59.01 ; J4.4 5.02,74.58 arc(5.24,74.25) 5.32,73.87 5.32,67.84 arc(5.24,67.46) 5.02,67.13 J11.4 5,65.71 arc(5.22,65.38) 5.3,65
Net-(Q1-G): length 4.1
  Top w0.2: 69.95,4.1 69.96,4.09
  Top w0.5: 68.5,4.26 68.5,6.9 ; R2.2 69.95,4.1
Net-(Q2-G): length 4.5
  Top w0.25: 68.6,48.36 68.6,48.36
  Top w0.5: R25.1 R9.2 68.6,48.36
Net-(Q3-G): length 4.3
  Top w0.2: 54.2,4.1 R3.2
  Top w0.5: 54.2,4.16 54.2,6.93 ; R26.1 54.2,4.1
Net-(Q4-G): length 4.8
  Top w0.2: 54.5,48.36 54.53,48.33
  Top w0.3: 56,45.3 R10.2
  Top w0.5: 54.4,48.36 R27.1 56,45.3
Net-(Q5-G): length 4.8
  Top w0.5: R28.1 69.29,18.61 69.29,19.51 R6.2 ; 68.6,19.9 68.6,22.86
Net-(Q6-G): length 4.2
  Top w0.2: 68.59,65.24 68.6,65.23
  Top w0.3: 68.6,62.5 68.6,65.23 ; R29.1 R11.2
Net-(Q7-G): length 4.6
  Top w0.2: 54.19,22.81 54.2,22.8
  Top w0.3: 55,18.7 R30.1
  Top w0.5: 54.2,22.83 R7.2 54.2,19.63 55.1,18.73 R30.1
Net-(Q8-G): length 4.7
  Top w0.3: R31.1 55.29,61.41 R12.2 ; 54.4,62.5 54.4,65.26
Net-(U1-DT): length 4.9
  Top w0.2: 30.8,10.04 U1.6
  Top w0.3: U1.6 30.2,10.09 28.79,8.68 R32.1 27.81,8.64 27.81,7.67 C27.1
Net-(U1-INA): length 5.3
  Top w0.3: U1.1 30.83,16.43 R36.2 27.07,17.9 C53.1
Net-(U1-INB): length 5.4
  Top w0.3: U1.2 27.34,15.17 R38.2 27.07,13.41 C51.1
Net-(U1-OUTA): length 32.9
  Top w0.5: U1.15 41.71,15.17 v3(42.16,14.73) 41.98,14.9 ; v3(65.31,4.25) 65.47,4.1 R2.1
  Bottom w0.5: v3(65.31,4.25) 49.76,4.25 42.16,11.86 v3(42.16,14.73)
Net-(U1-OUTB): length 18.9
  Top w0.2: 40.17,8.8 U1.10
  Top w0.5: R3.1 56.2,3.99 v3(55.34,3.12) ; v3(41.6,8.8) 40.17,8.8
  Bottom w0.5: v3(41.6,8.8) 43.3,8.8 48.97,3.12 v3(55.34,3.12)
Net-(U1-VDDA): length 2.3
  Top w0.3: U1.16 40.5,16.8
  Top w1: 40.5,16.8 40.5,18.64
Net-(U3-DT): length 4.6
  Top w0.3: U3.6 29.81,51.19 28.57,49.96 R33.1 27.9,48.84 C44.1
Net-(U3-INA): length 5.4
  Top w0.3: C54.1 27,57.75 R37.2 27.21,57.55 U3.1
Net-(U3-INB): length 5.4
  Top w0.3: C52.1 27.05,54.71 R39.2 27.14,56.28 U3.2
Net-(U3-OUTA): length 32.5
  Top w0.5: U3.15 41.41,56.28 v3(41.6,56.09) ; R9.1 v3(61.6,45.4)
  Bottom w0.5: v3(41.6,56.09) 42.14,55.55 42.14,52.86 42.92,52.08 45.92,52.08 51.5,46.5 55.04,46.5 56.14,45.4 v3(61.6,45.4)
Net-(U3-OUTB): length 20.6
  Top w0.3: 40.17,49.9 U3.10
  Top w0.5: R10.1 58.1,45.39 v3(57.22,44.5) ; v3(41.7,49.9) 40.17,49.9
  Bottom w0.5: v3(57.22,44.5) 55.26,44.5 54.37,45.4 46.2,45.4 v3(41.7,49.9)
Net-(U3-VDDA): length 2.2
  Top w0.2: 40.3,57.72 40.38,57.64
  Top w1: R8.1 40.3,57.72
Net-(U4-DT): length 4.6
  Top w0.2: 28.07,25.03 28.06,25.03
  Top w0.3: 30.85,26.3 U4.6 30.05,26.3 28.83,25.06 R34.1 27.94,23.96 27.97,23.93 ; 28.07,25.03 28.07,25.03
Net-(U4-INA): length 5.4
  Top w0.3: C56.1 27.07,34.03 R41.2 27.16,32.64 U4.1
Net-(U4-INB): length 5.5
  Top w0.3: U4.2 27.41,31.38 R40.2 27.05,31.01 C55.1
Net-(U4-OUTA): length 32.6
  Top w0.5: U4.15 41.53,31.38 v3(41.6,31.3) ; v3(65.3,20.2) R6.1
  Bottom w0.5: v3(65.3,20.2) 57.49,20.2 50.91,26.78 43.6,26.78 42.2,28.17 42.2,30.7 v3(41.6,31.3)
Net-(U4-OUTB): length 18.9
  Top w0.5: U4.10 41.67,25.03 v3(41.7,25) ; v3(55.16,21.28) 55.16,21.23 R7.1
  Bottom w0.5: v3(55.16,21.28) 54.22,21.28 49.47,26.03 42.72,26.03 v3(41.7,25)
Net-(U4-VDDA): length 2.7
  Top w0.2: U4.16 40.45,32.94
  Top w1: 40.45,32.94 40.45,35.2
Net-(U5-DT): length 4.6
  Top w0.3: R35.1 28.71,66.74 30.07,68.09 U5.6 ; C46.1 27.87,66.71
Net-(U5-INA): length 5.3
  Top w0.3: U5.1 30.83,74.47 R43.2 27.07,75.94 C58.1
Net-(U5-INB): length 5.4
  Top w0.3: U5.2 27.3,73.17 R42.2 27.02,72.89 C57.1
